# Altium PCB ALCT_MEZ_LX100.PcbDoc (part 9 of 10)
Units mil, origin at the board's own origin, x right, y up, seen from the top; angles counter-clockwise.
Board outline 4100 x 5874.84 mil, 12 copper layers (Top Layer, GND, Mid-Layer 2, +3V3, Mid-Layer 4, +1V2, Mid-Layer 6, +1V8, Mid-Layer 8, +2V5, Mid-Layer 10, Bottom Layer), stack 64.7 mil thick; 544 components, 646 nets, 3089 pads, 1750 vias.
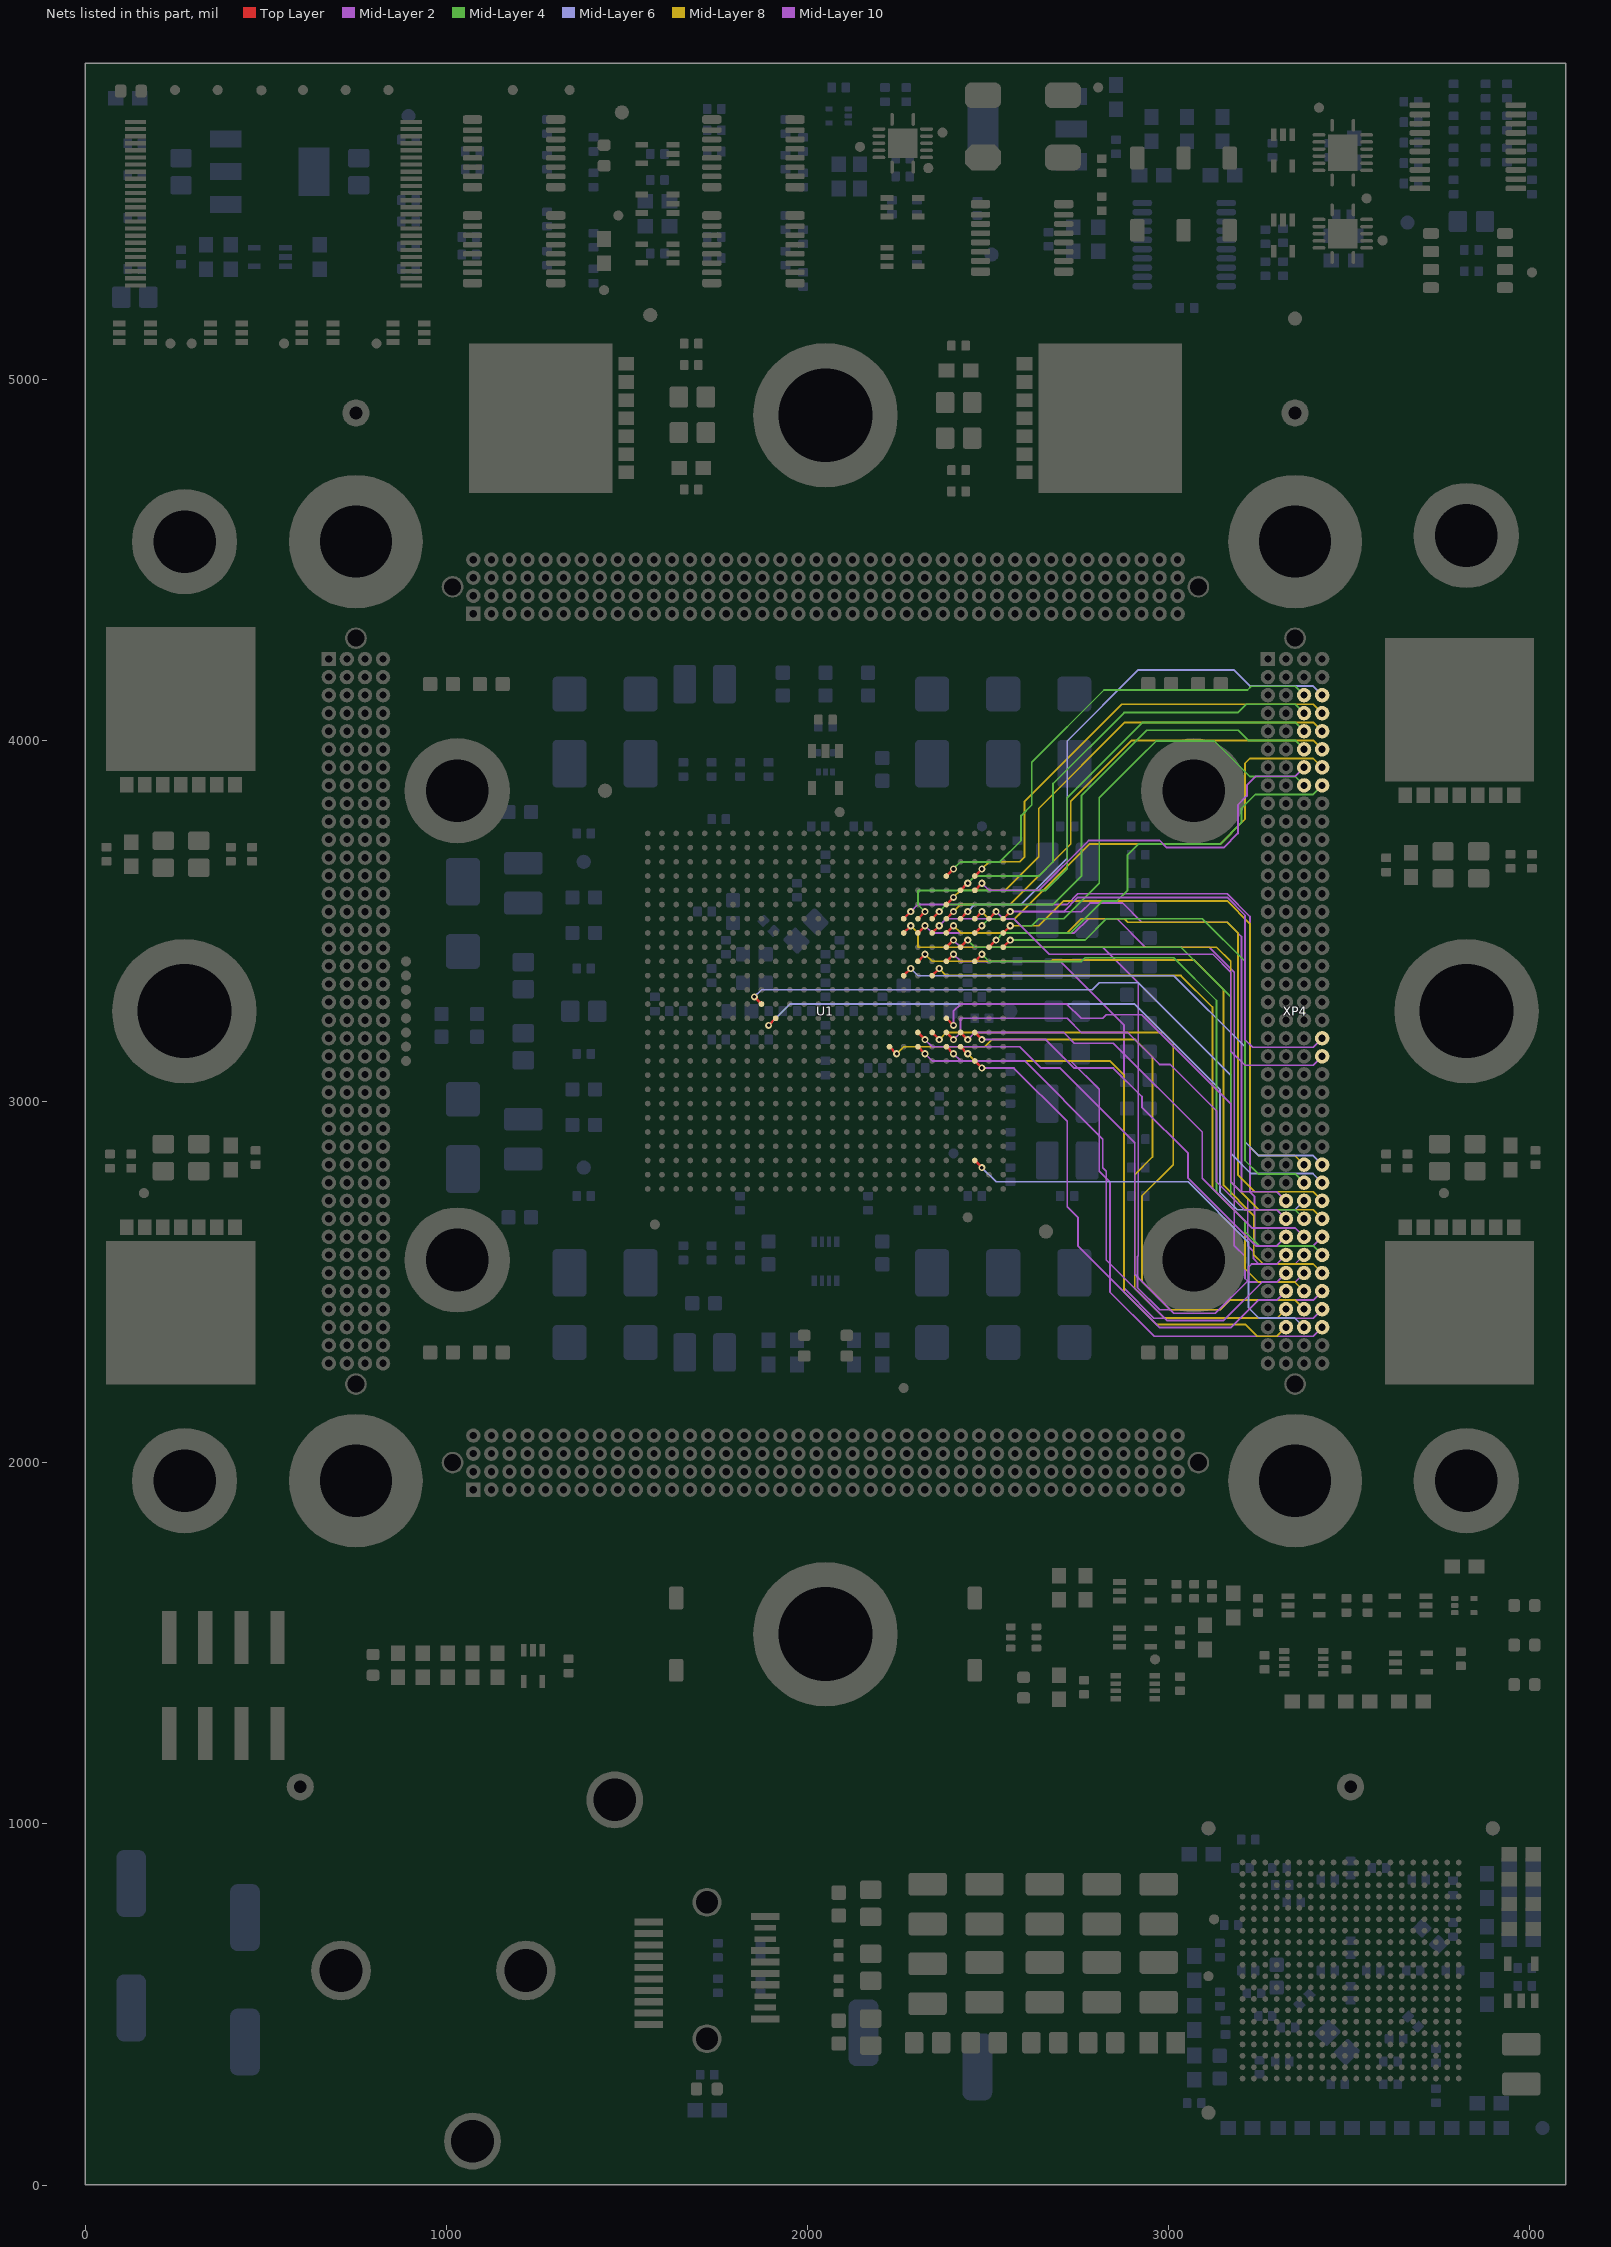
[diagram p19: the nets of this part, all layers, seen from the top]

## Via types
v1: diameter 20, hole 10, Top Layer to Bottom Layer, tented both sides, 1478 vias
v2: diameter 18, hole 10, Top Layer to Bottom Layer, tented both sides, 219 vias
v3: diameter 20, hole 10, Top Layer to Bottom Layer, 38 vias
v4: diameter 40, hole 20, Top Layer to Bottom Layer, 8 vias
v5: diameter 19, hole 10, Top Layer to Bottom Layer, tented both sides, 5 vias
v6: diameter 19, hole 10, Top Layer to Bottom Layer, 1 vias
v7: diameter 18, hole 10, Top Layer to Bottom Layer, 1 vias

## Nets (pads, with @x,y where several pads share a name; then routed paths per layer and width w, separated by ;. In a path a pad name is that pad's centre, name@x,y a point inside that pad or via, vN(x,y) a via of type N, cw(c..) or ccw(c..) an arc to the next point about the centre after c; other vN are vias at no path point) (continued)
XP4B_31: U1.P22 XP4.B31 | length 1356.6
  Top Layer w7: U1.P22@2384.65,3230.31 v1(2404.33,3210.63)
  Mid-Layer 2 w5: v1(2404.33,3210.63) 2404.33,3250 2424.02,3269.69 2718.46,3269.69 2757.83,3230.32 2817.72,3230.32 2827.56,3240.16 2925.98,3240.16 3172.05,2994.09 3172.05,2777.56 3199.61,2750 3300,2750 XP4.B31@3325,2725
XP4B_32: U1.R22 XP4.B32 | length 1341.4
  Top Layer w7: U1.R22@2384.65,3190.94 v1(2404.33,3171.26)
  Mid-Layer 2 w5: v1(2404.33,3171.26) 2424.02,3190.94 2424.02,3230.32 2719.29,3230.32 2758.66,3190.95 2886.61,3190.95 2975.2,3102.36 3004.72,3102.36 3132.68,2974.41 3132.68,2777.56 3210.24,2700 3300,2700 XP4.B32@3325,2675
XP4B_33: U1.R24 XP4.B33 | length 1174.4
  Top Layer w7: U1.R24@2463.39,3190.94 v1(2483.07,3171.26)
  Mid-Layer 2 w5: v1(2483.07,3171.26) 2660.24,3171.26 2738.98,3092.52 2847.24,3092.52 2925.98,3013.78 2925.98,2984.25 3053.94,2856.3 3053.94,2787.4 3241.34,2600 3300,2600 XP4.B33@3325,2625
XP4B_34: U1.R20 XP4.B34 | length 1642.6
  Top Layer w7: U1.R20@2305.91,3190.94 v1(2325.59,3171.26)
  Mid-Layer 2 w5: v1(2325.59,3171.26) 2345.28,3151.57 2588.37,3151.57 2647.42,3092.52 2699.61,3092.52 2906.3,2885.83 2906.3,2521.65 3014.57,2413.39 3129.44,2413.39 3221.26,2505.2 3221.26,2541.34 3229.92,2550 3300,2550 XP4.B34@3325,2575
XP4B_35: U1.T22 XP4.B35 | length 1498.9
  Top Layer w7: U1.T22@2384.65,3151.57 v1(2404.33,3131.89)
  Mid-Layer 2 w5: v1(2404.33,3131.89) 2424.02,3112.2 2601.18,3112.2 2817.72,2895.67 2817.72,2816.93 2827.56,2807.09 2827.56,2561.02 2994.88,2393.7 3152.36,2393.7 3258.66,2500 3300,2500 XP4.B35@3325,2525
XP4B_36: U1.U24 XP4.B36 | length 1393.7
  Top Layer w7: U1.U24@2463.39,3112.2 v1(2483.07,3092.52)
  Mid-Layer 2 w5: v1(2483.07,3092.52) 2571.65,3092.52 2719.29,2944.88 2719.29,2708.66 2748.82,2679.13 2748.82,2600.39 2975.2,2374.02 3172.05,2374.02 3248.03,2450 3300,2450 XP4.B36@3325,2475
XP4B_37: U1.T18 XP4.B37 | length 1897.1
  Top Layer w7: U1.T18@2227.17,3151.57 v1(2246.85,3131.89)
  Mid-Layer 8 w5: v1(2246.85,3131.89) 2266.35,3151.39 2490.78,3151.39 2510.65,3171.26 2908.13,3171.26 2955.51,3123.88 2955.51,2846.46 2906.3,2797.24 2906.3,2482.28 2988.08,2400.5 3300.5,2400.5 XP4.B37@3325,2425
XP4B_38: U1.T23 XP4.B38 | length 1595.1
  Top Layer w7: U1.T23@2424.02,3151.57 v1(2443.7,3131.89)
  Mid-Layer 8 w5: v1(2443.7,3131.89) 2463.39,3112.2 2837.4,3112.2 2876.77,3072.83 2876.77,2472.44 2966.51,2382.7 3212.57,2382.7 3245.28,2350 3300,2350 XP4.B38@3325,2375
XP4C_3: U1.D22 XP4.C3 | length 1327.8
  Top Layer w7: U1.D22@2384.65,3624.02 v1(2404.33,3643.7)
  Mid-Layer 4 w5: v1(2404.33,3643.7) 2423.83,3663.2 2532.28,3663.2 2591.52,3722.44 2591.52,3791.52 2620.87,3820.87 2620.87,3938.98 2821.16,4139.27 3218.51,4139.27 3228.74,4149.5 3350.5,4149.5 XP4.C3@3375,4125
XP4C_4: U1.E23 XP4.C4 | length 1301.2
  Top Layer w7: U1.E23@2424.02,3584.65 v1(2443.7,3604.33)
  Mid-Layer 4 w5: v1(2443.7,3604.33) 2463.39,3624.02 2640.55,3624.02 2679.92,3663.39 2679.92,3879.92 2876.77,4076.77 3191.73,4076.77 3214.46,4099.5 3350.5,4099.5 XP4.C4@3375,4075
XP4C_5: U1.G20 XP4.C5 | length 1481.8
  Top Layer w7: U1.G20@2305.91,3505.91 v1(2325.59,3525.59)
  Mid-Layer 4 w5: v1(2325.59,3525.59) 2306.09,3545.09 2306.09,3584.46 2660.05,3584.46 2719.29,3643.7 2719.29,3840.55 2928.24,4049.5 3350.5,4049.5 XP4.C5@3375,4025
XP4C_6: U1.G21 XP4.C6 | length 1397.8
  Top Layer w7: U1.G21@2345.28,3505.91 v1(2364.96,3525.59)
  Mid-Layer 4 w5: v1(2364.96,3525.59) 2384.65,3545.28 2463.39,3545.28 2463.57,3545.46 2680.11,3545.46 2758.66,3624.02 2758.66,3846.32 2939.9,4027.56 3192.72,4027.56 3220.78,3999.5 3350.5,3999.5 XP4.C6@3375,3975
XP4C_7: U1.E24 XP4.C7 | length 1148.6
  Top Layer w7: U1.E24@2463.39,3584.65 v1(2483.07,3604.33)
  Mid-Layer 2 w5: v1(2483.07,3604.33) 2502.76,3584.65 2640.55,3584.65 2778.35,3722.44 2975.2,3722.44 2994.88,3702.76 3152.36,3702.76 3191.73,3742.13 3191.73,3820.87 3216.79,3845.92 3216.79,3875.45 3241.84,3900.5 3350.5,3900.5 XP4.C7@3375,3925
XP4C_8: U1.H24 XP4.C8 | length 1337.4
  Top Layer w7: U1.H24@2463.39,3466.54 v1(2483.07,3486.22)
  Mid-Layer 4 w5: v1(2483.07,3486.22) 2502.76,3505.91 2571.65,3505.91 2591.34,3486.22 2620.87,3486.22 2640.55,3505.91 2709.45,3505.91 2807.87,3604.33 2807.87,3840.55 2916.14,3948.82 2965.35,3998.03 3126.57,3998.03 3225,3899.61 3350.39,3899.61 XP4.C8@3375,3875
XP4C_29: U1.H26 XP4.C29 | length 1533.6
  Top Layer w7: U1.H26@2542.13,3466.54 v1(2561.81,3486.22)
  Mid-Layer 8 w5: v1(2561.81,3486.22) 2640.55,3486.22 2709.45,3555.12 3162.2,3555.12 3225,3492.32 3225,2875 3250,2850 3350,2850 XP4.C29@3375,2825
XP4C_30: U1.J26 XP4.C30 | length 1491.1
  Top Layer w7: U1.J26@2542.13,3427.16 v1(2561.81,3446.85)
  Mid-Layer 4 w5: v1(2561.81,3446.85) 2768.5,3446.85 2827.56,3505.91 3093.31,3505.91 3211.42,3387.8 3211.42,2836.61 3248.53,2799.5 3350.5,2799.5 XP4.C30@3375,2775
XP4C_31: U1.P10 XP4.C31 | length 1948.3
  Top Layer w7: v1(1892.52,3210.63) U1.P10@1912.2,3230.31
  Mid-Layer 6 w5: v1(1892.52,3210.63) 1951.57,3269.69 2906.3,3269.69 3142.18,3033.81 3142.18,2748.37 3190.55,2700 3350,2700 XP4.C31@3375,2725
XP4C_32: U1.J23 XP4.C32 | length 1621.4
  Top Layer w7: U1.J23@2424.02,3427.16 v1(2443.7,3446.85)
  Mid-Layer 4 w5: v1(2443.7,3446.85) 2463.39,3427.17 2758.66,3427.17 ; 2738.98,3427.17 2758.66,3427.17 ; XP4.C32@3375,2675 3350,2700 3210.24,2700 3172.05,2738.19 3172.05,3289.37 3034.25,3427.17 2758.66,3427.17
XP4C_33: U1.R23 XP4.C33 | length 1276.7
  Top Layer w7: U1.R23@2424.02,3190.94 v1(2443.7,3171.26)
  Mid-Layer 2 w5: v1(2443.7,3171.26) 2463.39,3190.95 2709.45,3190.95 2738.98,3161.42 2847.24,3161.42 3093.31,2915.35 3093.31,2787.4 3230.71,2650 3350,2650 XP4.C33@3375,2625
XP4C_34: U1.H21 XP4.C34 | length 1991.2
  Top Layer w7: U1.H21@2345.28,3466.54 v1(2364.96,3486.22)
  Mid-Layer 10 w5: v1(2364.96,3486.22) 2384.46,3505.72 2573.42,3505.72 2593.1,3525.41 2758.66,3525.41 2782.75,3549.5 2872.55,3549.5 2925.98,3496.06 3162.2,3496.06 3201.57,3456.69 3201.57,2748.03 3219.29,2730.32 3219.29,2600.39 3234.65,2585.04 3234.65,2565.35 3250,2550 3350,2550 XP4.C34@3375,2575
XP4C_35: U1.H20 XP4.C35 | length 2008.4
  Top Layer w7: U1.H20@2305.91,3466.54 v1(2325.59,3486.22)
  Mid-Layer 10 w5: v1(2325.59,3486.22) 2345.28,3466.54 2738.98,3466.54 2778.35,3505.91 2857.09,3505.91 2935.83,3427.17 3112.99,3427.17 3181.89,3358.27 3181.89,2600.39 3211.42,2570.87 3211.42,2509.84 3221.26,2500 3350,2500 XP4.C35@3375,2525
XP4C_36: U1.L21 XP4.C36 | length 1779.5
  Top Layer w7: U1.L21@2345.28,3348.42 v1(2364.96,3368.11)
  Mid-Layer 8 w5: v1(2364.96,3368.11) 2384.46,3348.61 3034.07,3348.61 3121.15,3261.53 3121.15,2759.56 3211.42,2669.29 3211.42,2536.81 3248.03,2500.2 3349.8,2500.2 XP4.C36@3375,2475
XP4C_37: U1.R21 XP4.C37 | length 1896.1
  Top Layer w7: U1.R21@2345.28,3190.94 v1(2364.96,3171.26)
  Mid-Layer 8 w5: v1(2364.96,3171.26) 2384.65,3190.95 2985.04,3190.95 3012.88,3163.1 3012.88,2825.09 2925.98,2738.19 2925.98,2501.97 3004.72,2423.23 3142.52,2423.23 3169.79,2450.5 3349.5,2450.5 XP4.C37@3375,2425
XP4C_38: U1.AD24 XP4.C38 | length 1208.8
  Top Layer w7: U1.AD24@2463.39,2836.61 v1(2483.07,2816.93)
  Mid-Layer 6 w5: v1(2483.07,2816.93) 2522.44,2777.56 3053.94,2777.56 3220.87,2610.63 3220.87,2429.63 3250,2400.5 3349.5,2400.5 XP4.C38@3375,2375
XP4D_3: U1.G23 XP4.D3 | length 1505.6
  Top Layer w7: U1.G23@2424.02,3505.91 v1(2443.7,3525.59)
  Mid-Layer 6 w5: v1(2443.7,3525.59) 2463.57,3545.46 2591.52,3545.46 2719.29,3673.23 2719.29,3998.03 2916.14,4194.88 3180.62,4194.88 3225,4150.5 3399.5,4150.5 XP4.D3@3425,4125
XP4D_4: U1.D24 XP4.D4 | length 1258.6
  Top Layer w7: U1.D24@2463.39,3624.02 v1(2483.07,3643.7)
  Mid-Layer 8 w5: v1(2483.07,3643.7) 2502.94,3663.57 2587.45,3663.57 2601.18,3677.3 2601.18,3830.71 2869.97,4099.5 3400.5,4099.5 XP4.D4@3425,4075
XP4D_5: U1.F22 XP4.D5 | length 1337.7
  Top Layer w7: U1.F22@2384.65,3545.28 v1(2404.33,3564.96)
  Mid-Layer 8 w5: v1(2404.33,3564.96) 2424.2,3584.83 2548.08,3584.83 2640.55,3677.3 2640.55,3811.02 2879.03,4049.5 3400.5,4049.5 XP4.D5@3425,4025
XP4D_6: U1.G22 XP4.D6 | length 1324
  Top Layer w7: U1.G22@2384.65,3505.91 v1(2404.33,3525.59)
  Mid-Layer 8 w5: v1(2404.33,3525.59) 2424.2,3545.46 2561.81,3545.46 2729.13,3712.78 2729.13,3830.71 2897.93,3999.5 3400.5,3999.5 XP4.D6@3425,3975
XP4D_7: U1.G24 XP4.D7 | length 1262.1
  Top Layer w7: U1.G24@2463.39,3505.91 v1(2483.07,3525.59)
  Mid-Layer 8 w5: v1(2483.07,3525.59) 2502.57,3506.09 2573.79,3506.09 2780.3,3712.6 3142.52,3712.6 3211.42,3781.5 3211.42,3935.92 3225,3949.5 3400.5,3949.5 XP4.D7@3425,3925
XP4D_8: U1.J25 XP4.D8 | length 1188.5
  Top Layer w7: U1.J25@2502.76,3427.16 v1(2522.44,3446.85)
  Mid-Layer 4 w5: v1(2522.44,3446.85) 2542.13,3466.54 2729.13,3466.54 2817.72,3555.12 2857.09,3555.12 2886.61,3584.65 2886.61,3683.07 2916.14,3712.6 3142.52,3712.6 3201.57,3771.65 3201.57,3811.02 3240.55,3850 3400,3850 XP4.D8@3425,3875
XP4D_22: U1.G26 XP4.D22 | length 1291.4
  Top Layer w7: U1.G26@2542.13,3505.91 v1(2561.81,3525.59)
  Mid-Layer 2 w5: v1(2561.81,3525.59) 2709.45,3525.59 2748.82,3564.96 3162.2,3564.96 3211.42,3515.75 3211.42,3171.26 3232.68,3150 3400,3150 XP4.D22@3425,3175
XP4D_23: U1.G25 XP4.D23 | length 1245.3
  Top Layer w7: U1.G25@2502.76,3505.91 v1(2522.44,3525.59)
  Mid-Layer 2 w5: v1(2522.44,3525.59) 2542.13,3505.91 2571.65,3505.91 2670.08,3407.48 3122.83,3407.48 3172.05,3358.27 3172.05,3139.37 3211.42,3100 3400,3100 XP4.D23@3425,3125
XP4D_29: U1.L19 XP4.D29 | length 1545.6
  Top Layer w7: U1.L19@2266.54,3348.42 v1(2286.22,3368.11)
  Mid-Layer 6 w5: v1(2286.22,3368.11) 2306.09,3348.24 3014.75,3348.24 3211.42,3151.57 3211.42,2888.58 3250,2850 3400,2850 XP4.D29@3425,2825
XP4D_30: U1.N9 XP4.D30 | length 1972.2
  Top Layer w7: v1(1853.15,3289.37) U1.N9@1872.83,3269.68
  Mid-Layer 6 w5: v1(1853.15,3289.37) 1872.83,3309.06 2788.19,3309.06 2807.87,3328.74 2916.14,3328.74 3172.05,3072.83 3172.05,2856.3 3227.85,2800.5 3399.5,2800.5 XP4.D30@3425,2775
XP4D_31: U1.H22 XP4.D31 | length 1788.5
  Top Layer w7: U1.H22@2384.65,3466.54 v1(2404.33,3486.22)
  Mid-Layer 8 w5: v1(2404.33,3486.22) 2424.02,3466.54 2719.29,3466.54 2758.66,3505.91 2876.77,3505.91 2886.61,3496.06 3162.2,3496.06 3191.73,3466.54 3191.73,2797.24 3238.98,2750 3400,2750 XP4.D31@3425,2725
XP4D_32: U1.H19 XP4.D32 | length 1883.2
  Top Layer w7: U1.H19@2266.54,3466.54 v1(2286.22,3486.22)
  Mid-Layer 8 w5: v1(2286.22,3486.22) 2305.91,3466.54 2305.91,3427.17 3132.68,3427.17 3172.05,3387.8 3172.05,2777.56 3249.61,2700 3400,2700 XP4.D32@3425,2675
XP4D_33: U1.G19 XP4.D33 | length 2120
  Top Layer w7: U1.G19@2266.54,3505.91 v1(2286.22,3525.59)
  Mid-Layer 10 w5: v1(2286.22,3525.59) 2305.91,3545.28 2719.29,3545.28 2748.82,3574.8 3162.2,3574.8 3225,3512.01 3225,2750 3237.5,2737.5 3237.5,2613 3250,2600.5 3400.5,2600.5 XP4.D33@3425,2625
XP4D_34: U1.K24 XP4.D34 | length 1651.4
  Top Layer w7: U1.K24@2463.39,3387.79 v1(2483.07,3407.48)
  Mid-Layer 4 w5: v1(2483.07,3407.48) 2502.76,3387.8 2758.66,3387.8 2768.5,3397.64 3014.57,3397.64 3132.68,3279.53 3132.68,2748.03 3211.42,2669.29 3211.42,2639.76 3251.18,2600 3400,2600 XP4.D34@3425,2575
XP4D_35: U1.K20 XP4.D35 | length 1876.7
  Top Layer w7: U1.K20@2305.91,3387.79 v1(2325.59,3407.48)
  Mid-Layer 8 w5: v1(2325.59,3407.48) 2345.09,3387.98 2675.53,3387.98 2679.57,3392.02 3069.4,3392.02 3152.36,3309.06 3152.36,2767.72 3236,2684.08 3236,2575.81 3261.81,2550 3400,2550 XP4.D35@3425,2525
XP4D_36: U1.J22 XP4.D36 | length 1991.7
  Top Layer w7: U1.J22@2384.65,3427.16 v1(2404.33,3446.85)
  Mid-Layer 10 w5: v1(2404.33,3446.85) 2424.02,3427.17 2817.72,3427.17 2916.14,3328.74 2916.14,2572.98 2913.89,2570.73 2913.89,2484.54 2975.2,2423.23 3142.52,2423.23 3169.29,2450 3400,2450 XP4.D36@3425,2475
XP4D_37: U1.K22 XP4.D37 | length 1902.8
  Top Layer w7: U1.K22@2384.65,3387.79 v1(2404.33,3407.48)
  Mid-Layer 10 w5: v1(2404.33,3407.48) 2424.02,3387.8 2699.61,3387.8 2876.77,3210.63 2876.77,2482.28 2959.06,2400 3400,2400 XP4.D37@3425,2425
XP4D_38: U1.T20 XP4.D38 | length 1772.8
  Top Layer w7: U1.T20@2305.91,3151.57 v1(2325.59,3131.89)
  Mid-Layer 10 w5: v1(2325.59,3131.89) 2345.4,3112.08 2729.26,3112.08 2807.87,3033.46 2807.87,2807.09 2837.4,2777.56 2837.4,2472.44 2959.84,2350 3400,2350 XP4.D38@3425,2375
pads on no net: J1.2 J1.7 J1.9 J1.21 J2.6 J2.8 M3.1 M4.1 M5.1 M6.1 M7.1 M8.1 M9.1 M10.1 PCBM1.1 PCBM1.2 U1.AF4 U1.E12 U1.F8 U1.F12 U1.F14 U1.G9 U1.G11 U1.G13 U1.H9 U1.H10 U1.H12 U1.H13 U1.J11 U1.J12 U1.J13 U1.J16 U1.K12 U1.K14 U1.K15 U1.U17 U1.U19 U1.U20 U1.W21 U2.1 U2.3 U2.9 U2.10 U2.14 U2.16 U2.18 U2.35 U2.37 U2.39 U2.40 U2.41 U2.42 U4.11 U4.12 U4.13 U4.15 U6.1 U10.15 U11.3 U12.1 U13.1 U14.1 U16.1 U16.2 U16.3 U16.7 U16.8 U18.3 U19.3 U22.1 U24.1 U25.A20 U25.B5 U25.B6 U25.B8 U25.B11 U25.B12 U25.B13 U25.B14 U25.B17 U25.B18 U25.B20 U25.C5 U25.C6 U25.C8 U25.C9 U25.C10 U25.C12 U25.C15 U25.C16 U25.C17 U25.C18 U25.C19 U25.C20 U25.D12 U25.D17 U25.D18 U25.D19 U25.D20 U25.E5 U25.E6 U25.E7 U25.E8 U25.E13 U25.E14 U25.E18 U25.E19 U25.E20 U25.F20 U25.G1 U25.G8 U25.G9 U25.G17 U25.G19 U25.G20 U25.H1 U25.H17 U25.H18 U25.H19 U25.H20 U25.J2 U25.J17 U25.J18 U25.K4 U25.K5 U25.K17 U25.K18 U25.L4 U25.L5 U25.L8 U25.L17 U25.L18 U25.L19 U25.L20 U25.M2 U25.M4 U25.M5 U25.M6 U25.M7 U25.M19 U25.M20 U25.N1 U25.N2 U25.N6 U25.N7 U25.N8 U25.P1 U25.P2 U25.P3 U25.P4 U25.P5 U25.P6 U25.P7 U25.P8 U25.P9 U25.P15 U25.P16 U25.P19 U25.P20 U25.R6 U25.R20 U25.T7 U25.T8 U25.T9 U25.T10 U25.T13 U25.T14 U25.T20 U25.U9 U25.U10 U25.U18 U25.V4 U25.V5 U25.V6 U25.V9 U25.V10 U25.V11 U25.V12 U25.V13 U25.V14 U25.V18 U25.V20 U25.W6 U25.W11 U25.W12 U25.W20 U25.Y5 U25.Y6 U25.Y11 U25.Y12 U25.Y13 U25.Y14 U25.Y15 U25.Y16 U25.Y17 U25.Y18 U33.8 U33.11 U33.15 U34.1 U35.2 U35.3 U35.5 U35.16 U35.17 U35.18 U35.19 U36.7 U36.12 U36.17 U38.1 U39.1 U43.1 U47.10 U49.1 XP1.A9 XP1.A10 XP1.A11 XP1.A12 XP1.A13 XP1.A14 XP1.A15 XP1.A16 XP1.A17 XP1.A18 XP1.A19 XP1.A24 XP1.A25 XP1.A26 XP1.A27 XP1.A28 XP1.B9 XP1.B10 XP1.B11 XP1.B12 XP1.B13 XP1.B14 XP1.B15 XP1.B16 XP1.B17 XP1.B18 XP1.B19 XP1.B24 XP1.B25 XP1.B26 XP1.B27 XP1.B28 XP1.C9 XP1.C10 XP1.C11 XP1.C12 XP1.C13 XP1.C14 XP1.C15 XP1.C16 XP1.C17 XP1.C18 XP1.C19 XP1.C22 XP1.C23 XP1.C24 XP1.C25 XP1.C26 XP1.C27 XP1.C28 XP1.D9 XP1.D10 XP1.D11 XP1.D12 XP1.D13 XP1.D14 XP1.D15 XP1.D16 XP1.D17 XP1.D18 XP1.D19 XP1.D22 XP1.D23 XP1.D24 XP1.D25 XP1.D26 XP1.D27 XP1.D28 XP1.MC1 XP1.MC2 XP2.A30 XP2.B6 XP2.B7 XP2.B8 XP2.C5 XP2.C6 XP2.C20 XP2.C21 XP2.C32 XP2.C33 XP2.C34 XP2.C35 XP2.D5 XP2.D6 XP2.D20 XP2.D30 XP2.D32 XP2.D33 XP2.D35 XP2.MC1 XP2.MC2 XP3.B20 XP3.B21 XP3.C17 XP3.C18 XP3.C23 XP3.C24 XP3.D17 XP3.D18 XP3.D22 XP3.D23 XP3.D24 XP3.MC1 XP3.MC2 XP4.A10 XP4.A11 XP4.A12 XP4.A13 XP4.A14 XP4.A15 XP4.A16 XP4.A17 XP4.A18 XP4.A19 XP4.A22 XP4.A23 XP4.A24 XP4.A25 XP4.A26 XP4.A27 XP4.A28 XP4.B9 XP4.B10 XP4.B11 XP4.B12 XP4.B13 XP4.B14 XP4.B15 XP4.B16 XP4.B17 XP4.B18 XP4.B19 XP4.B22 XP4.B23 XP4.B24 XP4.B25 XP4.B26 XP4.B27 XP4.B28 XP4.C9 XP4.C10 XP4.C11 XP4.C12 XP4.C13 XP4.C14 XP4.C15 XP4.C16 XP4.C17 XP4.C18 XP4.C19 XP4.C22 XP4.C23 XP4.C24 XP4.C25 XP4.C26 XP4.C27 XP4.C28 XP4.D9 XP4.D10 XP4.D11 XP4.D12 XP4.D13 XP4.D14 XP4.D15 XP4.D16 XP4.D17 XP4.D18 XP4.D19 XP4.D24 XP4.D25 XP4.D26 XP4.D27 XP4.D28 XP4.MC1 XP4.MC2 ZI1.1 ZI2.1 ZI3.1 ZI4.1 ZI5.1 ZI6.1 ZI7.1 ZI8.1 ZI9.1 ZI10.1 ZI11.1 ZI12.1 ZI13.1 ZI14.1 ZI15.1 ZI16.1 ZI17.1
copper on no net: | length 2992.1
  +1V2 w7.87: 5049.21,4663.78 5649.61,4663.78
  +3V3 w7.87: 5049.21,4863.09 5649.61,4863.09
  +1V8 w7.87: 5049.21,4464.47 5649.61,4464.47
  +2V5 w7.87: 5049.21,4265.16 5649.61,4265.16
  GND w7.87: 5049.21,5062.4 5639.76,5062.4
  other v1: 275.53,1831.89 3824.35,1831.89 192.03,1866.5 359.03,1866.5 3740.84,1866.5 3907.85,1866.5 157.42,1950 393.64,1950 3706.24,1950 3942.46,1950 192.03,2033.5 359.03,2033.5 3740.84,2033.5 3907.85,2033.5 275.53,2068.11 3824.35,2068.11 1030.32,2442.91 3069.69,2442.91 946.81,2477.52 1113.82,2477.52 2986.18,2477.52 3153.19,2477.52 912.2,2561.02 1148.43,2561.02 2951.57,2561.02 3187.8,2561.02 946.81,2644.53 1113.82,2644.53 2986.18,2644.53 3153.19,2644.53 1030.32,2679.13 3069.69,2679.13 1030.32,3742.13 3069.69,3742.13 946.81,3776.73 1113.82,3776.73 2986.18,3776.73 3153.19,3776.73 912.2,3860.24 1148.43,3860.24 2951.57,3860.24 3187.8,3860.24 946.81,3943.74 1113.82,3943.74 2986.18,3943.74 3153.19,3943.74 1030.32,3978.35 3069.69,3978.35 275.53,4431.89 3824.35,4448.82 192.03,4466.5 359.03,4466.5 3740.84,4483.43 3907.85,4483.43 157.42,4550 393.64,4550 3706.24,4566.93 3942.46,4566.93 192.03,4633.5 359.03,4633.5 3740.84,4650.43 3907.85,4650.43 275.53,4668.11 3824.35,4685.04

## Polygon pours and split planes (outlines as drawn)
GND on Mid-Layer 4 "GND_L05_P216" (solid, remove dead copper, pour order 216): 3475,2352.56 3632.19,2195.37 3630.53,1918.7 3996,1555.64 3996,1309.25 4099.94,1309.25 4100.67,1752.17 4099.9,4960.83 3581.4,4960.83 3581.4,4381.4 3475,4275
GND on Mid-Layer 4 "GND_L05_P214" (solid, remove dead copper, pour order 214): 0,2962.8 482.28,2962.8 482.28,4685.24 0,4685.24
+1V8 on Mid-Layer 4 "Mid-Layer 2-+1V8" (solid, remove dead copper, pour order 268): 1633.86,4911.61 1633.86,5167.52 1564.96,5236.42 1289.37,5236.42 1141.73,5384.06 1141.73,5610.43 1003.97,5748.19 246.03,5748.19 157.48,5659.65 157.48,5265.95 177.17,5246.26 177.17,5236.42 334.65,5078.94 1456.69,5078.94 1515.75,5019.88 1515.75,4911.61
VTfpga_adc on Mid-Layer 4 "VTFPGA_ADC_L05_P130" (solid, pour order 130): 1975,4606.5 1975,4234.25 2175,4234.25 2175,4606.5
sfp_vcct on Mid-Layer 4 "SFP_VCCT_L05_P278" (solid, pour order 278): 314.96,295.47 354.33,256.1 777.56,256.1 846.46,187.2 1712.6,187.2 1771.65,246.26 1870.08,246.26 1929.13,187.2 2273.62,187.2 2312.99,226.57 2312.99,689.17 2273.62,728.54 1929.13,728.54 1840.55,639.96 1771.65,639.96 1771.65,600.59 1860.24,600.59 1870.08,590.75 1870.08,532.28 1839.96,502.17 364.17,502.17 314.96,452.95
+1V5_RXTXCMPS on Mid-Layer 4 "Mid-Layer 2-+1V5_RXTXCMPS" (solid, pour order 270): 2391.73,767.13 2391.73,305.32 3173.23,305.31 3173.23,767.13